# Altium PCB Beagle93.PCBDOC (part 6 of 7) (continued)
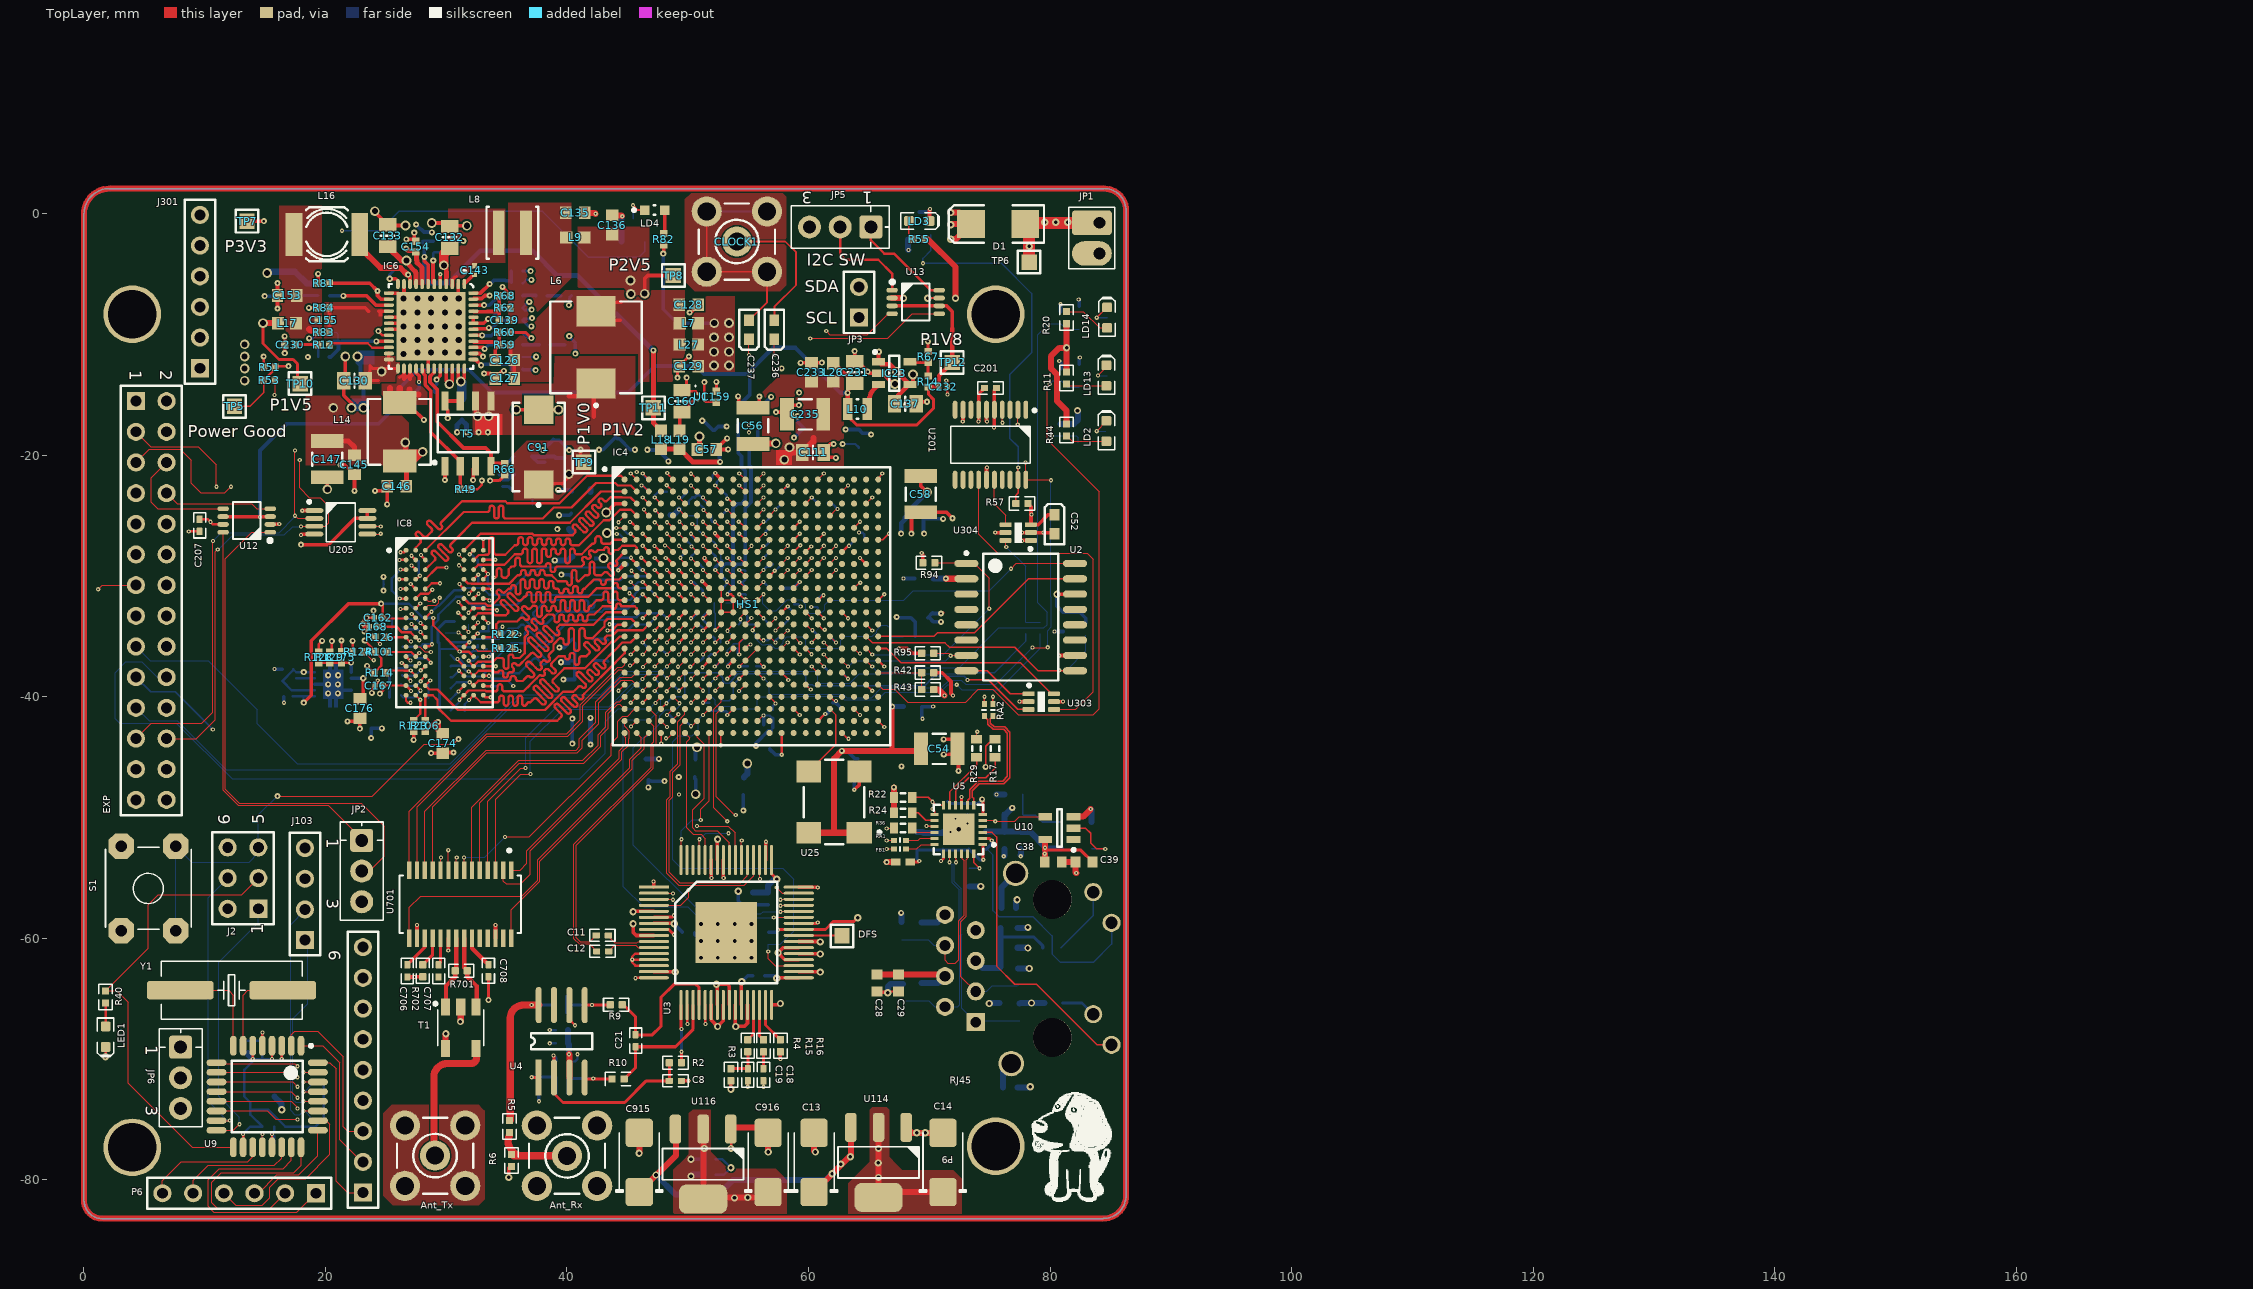
[diagram p0: TopLayer view]
## Nets (pads, with @x,y where several pads share a name; then routed paths per layer and width w, separated by ;. In a path a pad name is that pad's centre, name@x,y a point inside that pad or via, vN(x,y) a via of type N, cw(c..) or ccw(c..) an arc to the next point about the centre after c; other vN are vias at no path point) (continued)
P2V5: C52.2 C54.2 C58.2 C61.2 C62.2 C63.2 C65.2 C66.2 C67.2 C68.2 C69.2 C70.2 C71.2 C72.2 C73.2 C74.2 C75.2 C76.2 C77.2 C78.2 C79.2 C80.2 C86.2 C87.2 C88.2 C89.2 C90.2 C136.2 C154.2 C159.2 C201.1 C229.2 IC4.A17 IC4.AA7 IC4.AA17 IC4.AB4 IC4.AB14 IC4.B14 IC4.C21 IC4.D18 IC4.E15 IC4.F12 IC4.F22 IC4.G19 IC4.H16 IC4.J13 IC4.K20 IC4.L17 IC4.M14 IC4.N21 IC4.P18 IC4.R5 IC4.R15 IC4.T2 IC4.T12 IC4.T22 IC4.U8 IC4.U19 IC4.V6 IC4.V16 IC4.W3 IC4.W13 IC4.Y10 IC4.Y20 IC6.8 J301.6 L9.2 R42.2 R46.1 R52.1 R57.2 R78.1 R94.2 R95.2 R96.2 TP8.1 U1.A2 U1.B2 U2.14 U25.1 U25.4 U201.5 U303.5 U304.3 U304.5 | length 132.8
  TopLayer w0.125: v1(45.225,-37.4) 45.357,-37.4 IC4.T2@45.772,-36.985 ; v1(46.272,-40.485) IC4.W3@46.772,-39.985 ; IC4.AB4@47.772,-42.985 47.8,-43.013 v1(47.8,-43.85) ; v1(48.272,-36.485) IC4.R5@48.772,-35.985 ; v1(49.272,-39.485) IC4.V6@49.772,-38.985 ; v1(50.261,-42.415) 50.342,-42.415 IC4.AA7@50.772,-41.985 ; v1(51.272,-38.485) IC4.U8@51.772,-37.985 ; v1(53.272,-41.485) IC4.Y10@53.772,-40.985 ; IC4.T12@55.772,-36.985 56.277,-37.49 v1(56.286,-37.49) ; IC4.F12@55.772,-26.985 56.22,-26.537 56.407,-26.537 v1(56.45,-26.494) ; IC4.W13@56.772,-39.985 57.261,-40.474 v1(57.261,-40.54) ; IC4.B14@57.772,-22.985 58.243,-22.514 v1(58.286,-22.514) ; IC4.R15@58.772,-35.985 v1(59.272,-36.485) ; IC4.E15@58.772,-25.985 v1(59.272,-25.485) ; IC4.V16@59.772,-38.985 60.177,-39.39 v1(60.186,-39.39) ; IC4.H16@59.772,-28.985 v1(60.272,-28.485) ; IC4.L17@60.772,-31.985 60.806,-31.985 61.216,-31.575 v1(61.25,-31.575) ; IC4.A17@60.772,-21.985 v1(61.272,-21.485) ; IC4.P18@61.772,-34.985 v1(62.272,-35.485) ; IC4.D18@61.772,-24.985 62.327,-24.43 v1(62.404,-24.43) ; IC4.U19@62.772,-37.985 v1(63.272,-38.485) ; IC4.Y20@63.772,-40.985 v1(64.272,-41.485) ; IC4.K20@63.772,-30.985 64.221,-30.536 v1(64.285,-30.536) ; IC4.N21@64.772,-33.985 v1(65.272,-34.485) ; IC4.C21@64.772,-23.985 v1(65.272,-23.485) ; IC4.F22@65.772,-26.985 66.14,-26.985 66.65,-26.475 v1(66.663,-26.475)
  TopLayer w0.2: U1.A2@51.352,-14.894 U1.B2@51.352,-15.394 51.516,-15.558 52.336,-15.558 C159.2@52.372,-15.594 ; v2(51.375,-13.925) 51.364,-13.937 51.364,-14.876 U1.A2@51.382,-14.894 ; IC4.J13@56.772,-29.985 v1(57.207,-29.55) ; IC4.M14@57.772,-32.985 57.79,-32.985 v1(58.275,-32.5) ; v1(57.782,-44.786) IC4.AB14@57.782,-42.995 ; IC4.AA17@60.772,-41.985 60.772,-41.981 61.341,-41.412 v1(61.386,-41.412) ; IC4.G19@62.772,-27.985 63.272,-27.485 v1(63.35,-27.485) ; IC4.T22@65.772,-36.985 v1(66.272,-37.485)
  TopLayer w0.3: v4(46.425,-6.6) 46.425,-5.362 46.687,-5.1 TP8.1@48.8,-5.1 ; IC4.AB14@57.772,-42.985 IC4.AB14@57.782,-42.995 ; v1(67.472,-35.985) 68.172,-35.985 68.572,-36.385 R95.2@69.372,-36.385 ; C58.2@69.3,-21.7 69.3,-22.525 v4(69.825,-23.05) ; v1(69.372,-28.085) 69.472,-28.185 R94.2@69.472,-28.885 ; R42.2@70.372,-37.985 71.072,-37.985 71.797,-38.71 71.797,-39.71 v1(71.972,-39.885) ; v1(75.372,-17.685) 75.395,-17.662 U201.5@75.395,-16.212 75.395,-14.588 C201.1@75.57,-14.413 ; v1(75.472,-26.385) U304.5@76.322,-26.385 ; R57.2@78.172,-23.985 78.422,-24.235 U304.3@78.422,-25.735 79.022,-25.735 79.862,-24.895 C52.2@80.372,-24.895 ; U303.5@80.322,-40.385 v1(81.072,-40.385) ; v3(80.572,-31.485) 80.577,-31.48 U2.14@82.072,-31.48
  TopLayer w0.4: v2(26.675,-2.875) 26.702,-2.875 26.865,-3.038 27.37,-3.038 C154.2@27.48,-3.148 ; C154.2@27.48,-3.257 C154.2@27.589,-3.257 ; C154.2@27.59,-3.258 27.59,-3.261 27.55,-3.301 27.55,-3.799 27.59,-3.839 27.59,-4.052 28,-4.462 IC6.8@28,-5.802 ; v2(66.926,-40.798) 66.926,-44.41 66.972,-44.456 ; C54.2@69.225,-45.1 C54.2@69.225,-44.3
  TopLayer w0.5: U25.4@60.016,-51.243 62.116,-51.243 ; U25.1@64.216,-51.243 62.116,-51.243 ; C54.2@69.225,-44.3 69.069,-44.456 66.972,-44.456 v2(62.761,-44.456) 62.116,-45.1 62.116,-51.243
  MidLayer2 w0.5: v2(26.675,-2.875) 27.654,-2.875 27.973,-2.556 30.808,-2.556 31.141,-2.888 42.688,-2.888 v4@45.08,-5.28 ; v4@45.1,-5.28 v4@45.08,-5.28 ; v4@45.25,-5.45 v4@45.08,-5.28
  BottomLayer w0.2: C88.2@47.762,-35.975 v1(48.272,-36.485) ; C90.2@48.625,-38.975 48.762,-38.975 v1(49.272,-39.485) ; C74.2@49.675,-41.975 49.821,-41.975 v1(50.261,-42.415) ; C62.2@51.772,-41.135 52.632,-41.135 52.672,-41.175 53.182,-41.175 53.272,-41.265 v1(53.272,-41.485) ; C65.2@55.675,-37.45 56.246,-37.45 v1(56.286,-37.49) ; v1(56.45,-26.494) 56.45,-26.3 C73.2@56.75,-26 ; C63.2@57.025,-41.075 57.025,-40.776 v1(57.261,-40.54) ; v1(57.207,-29.55) 57.25,-29.55 57.725,-29.075 C69.2@57.725,-29.025 ; C61.2@57.8,-23.15 57.8,-23 v1(58.286,-22.514) ; v1(58.275,-32.5) 58.8,-33.025 C79.2@58.825,-33.025 ; C70.2@60.75,-31.9 61.075,-31.575 v1(61.25,-31.575) ; C68.2@61.575,-23.95 61.924,-23.95 v1(62.404,-24.43) ; C78.2@61.625,-34.95 61.737,-34.95 v1(62.272,-35.485) ; C75.2@62.625,-37.975 62.762,-37.975 v1(63.272,-38.485) ; v2(62.825,-19.05) 63.875,-19.05 C71.2@64.175,-19.35 ; v1(63.35,-27.485) 63.825,-27.01 C89.2@63.91,-27.01
  BottomLayer w0.3: C87.2@56.777,-44.302 57.261,-44.786 v1(57.782,-44.786) ; v1(61.386,-41.412) 61.491,-41.412 C80.2@61.928,-40.976 ; v2(62.761,-44.456) 63.181,-44.456 63.85,-45.125 C66.2@64.065,-45.125 ; v2(67.3,-33.375) 67.357,-33.432 68.482,-33.432 68.844,-33.794 R52.1@68.844,-34.956 ; v3(80.572,-31.485) 80.572,-32.495 C229.2@81.072,-32.995 82.482,-32.995 82.972,-33.485 R96.2@82.972,-33.885
  BottomLayer w0.4: v2(41.946,-43.936) v2(41.946,-41.724) ; C72.2@46.53,-45.128 v2(47.61,-45.128) ; v2(66.926,-40.798) C76.2@67.728,-40.798 C76.2@67.878,-40.798 ; v2(67.675,-26.468) 67.675,-25.6 C77.2@68.005,-25.27 ; C77.2@68.025,-25.25 C77.2@68.005,-25.27 ; v4(69.825,-23.05) 68.15,-24.725 68.15,-24.975 68.005,-25.12 C77.2@68.005,-25.27
  BottomLayer w0.5: v4(15.172,-4.885) 15.272,-4.785 17.472,-4.785 18.433,-5.746 R78.1@19.39,-5.746
  other v1: 78.472,-24.885
  other v4: 45.282,-6.625 45.257,-5.508
RA1_N: RA1.4 U5.17 | length 2.4
  TopLayer w0.095: RA1.4@68.085,-51.878 68.092,-51.885 69.072,-51.885 69.238,-51.719 U5.17@70.435,-51.719
RA1_P: RA1.2 U5.18 | length 2.5
  TopLayer w0.095: RA1.2@68.085,-52.578 68.979,-52.578 69.338,-52.219 U5.18@70.435,-52.219
RA2_N: RA2.2 U5.8 | length 11.2
  TopLayer w0.115: U5.8@73.185,-48.969 73.185,-48.572 73.372,-48.385 73.372,-48.373 73.368,-48.369 73.368,-47.689 74.072,-46.985 76.072,-46.985 76.472,-46.585 76.472,-42.985 76.176,-42.689 75.284,-42.689 74.865,-42.269 74.865,-41.878 RA2.2@74.572,-41.585
RA2_P: RA2.4 U5.7 | length 11.2
  TopLayer w0.115: U5.7@73.685,-48.969 73.685,-48.398 73.572,-48.285 73.572,-47.773 74.157,-47.189 76.157,-47.189 76.676,-46.669 76.676,-42.901 76.26,-42.485 75.368,-42.485 75.068,-42.185 75.068,-41.793 75.066,-41.791 RA2.4@75.272,-41.585
RESETN: IC6.20 R51.1 R53.1 T6.1 TP5.1 | length 54.1
  TopLayer w0.125: TP5.1@12.459,-15.937 13.729,-15.937 14.88,-14.786 R53.1@14.88,-13.775
  TopLayer w0.2: R53.1@14.945,-13.722 R51.1@15.898,-12.769 ; R51.1@15.936,-12.604 v2(16.939,-12.604) ; v2(24.381,-9.708) 24.725,-10.052 IC6.20@25.25,-10.052
  TopLayer w0.3: R51.1@15.898,-12.769 15.936,-12.731 R51.1@15.936,-12.604
  MidLayer2 w0.125: v1(21.372,-1.385) 21.372,-4.785 24.381,-7.794 v2(24.381,-9.708)
  MidLayer2 w0.2: v2(16.939,-12.604) 17.053,-12.604 19.15,-10.507 19.15,-10.393 19.835,-9.708 v2(24.381,-9.708)
  BottomLayer w0.125: v1(21.372,-1.385) 24.472,-1.385 26.072,0.215 37.972,0.215 41.772,-3.585 45.972,-3.585 46.429,-3.128 T6.1@46.429,-2.282
RX_N: C27.2 R28.1 RJ45.6 U5.22 | length 15.4
  TopLayer w0.1: RJ45.6@71.31,-60.58 71.31,-61.823 71.522,-62.035 72.172,-62.035 72.433,-61.774 72.433,-58.524 72.885,-58.072 72.885,-53.569 72.685,-53.369 U5.22@72.685,-52.969
  BottomLayer w0.1: R28.1@67.704,-60.121 69.908,-60.121 70.367,-60.58 RJ45.6@71.31,-60.58
RX_P: C26.2 R25.1 RJ45.3 U5.23 | length 15.9
  TopLayer w0.1: U5.23@73.185,-52.969 73.185,-53.369 73.074,-53.48 73.074,-58.15 72.622,-58.602 72.622,-63.162 RJ45.3@73.85,-64.39
  BottomLayer w0.1: RJ45.3@73.85,-64.39 73.855,-64.385 74.772,-64.385 75.226,-63.931 R25.1@75.832,-63.931 77.306,-63.931 C26.2@77.356,-63.881
RXD_P2V5: IC4.M16 U13.5 | length 38.7
  TopLayer w0.1: IC4.M16@59.772,-32.985 v1(60.272,-33.485) ; v1(60.146,-10.311) 66.546,-10.311 68.597,-8.26 U13.5@70.822,-8.26
  SignalLayer1 w0.1: v1(60.146,-10.311) 60.452,-10.617 60.452,-21.641 57.872,-24.221 57.872,-32.959 57.988,-33.075 59.862,-33.075 v1(60.272,-33.485)
SCK: J2.3 R40.1 U9.17 | length 38.5
  TopLayer w0.1: U9.17@12.372,-77.285 8.972,-77.285 3.672,-71.985 3.672,-65.285 2.727,-64.34 R40.1@1.791,-64.34 5.314,-60.817 5.314,-57.227 6.156,-56.385 13.055,-56.385 J2.3@14.44,-55
SFP_1.LED: IC4.R19
SFP_2.LED: IC4.W20
SFP_2.MOD_PRESENT: IC4.T20
SFP_2.RATE_SELECT1: IC4.U21
SFP_2.TX_DISABLE: IC4.P20
SFP_2.TX_FAULT: IC4.P19
TX_N: C25.2 R21.1 RJ45.2 U5.20 | length 17.8
  TopLayer w0.1: v1(71.672,-53.685) 71.685,-53.672 U5.20@71.685,-52.969
  BottomLayer w0.1: C25.2@67.831,-65.151 69.938,-65.151 70.447,-65.66 RJ45.2@71.31,-65.66 72.347,-65.66 72.517,-65.491 72.517,-59.758 72.472,-59.713 72.472,-55.952 71.897,-55.377 71.897,-53.91 v1(71.672,-53.685)
TX_P: C24.2 R18.1 RJ45.1 U5.21 | length 18.4
  TopLayer w0.1: U5.21@72.185,-52.969 72.185,-53.395 72.222,-53.432 v1(72.222,-53.685)
  BottomLayer w0.1: v1(72.222,-53.685) 72.086,-53.821 72.086,-55.299 72.661,-55.874 72.661,-59.635 72.705,-59.679 72.705,-65.785 RJ45.1@73.85,-66.93 73.978,-66.802 C24.2@77.483,-66.802
TXD_P2V5: IC4.M17 U13.4 | length 34.1
  TopLayer w0.1: v1(61.472,-9.685) 61.772,-9.985 64.872,-9.985 66.597,-8.26 U13.4@66.922,-8.26
  TopLayer w0.125: IC4.M17@60.772,-32.985 v1(61.272,-33.485)
  SignalLayer1 w0.1: v1(61.272,-33.485) 60.672,-32.885 60.42,-32.885 60.38,-32.925 60.07,-32.925 60.03,-32.885 59.587,-32.885 59.573,-32.899 58.886,-32.899 58.683,-32.696 58.683,-23.79 60.655,-21.819 60.655,-10.502 v1(61.472,-9.685)
VCC: C22.1 C23.2 C28.2 C29.2 C30.2 C31.2 C32.1 C33.1 C34.1 C35.2 C37.2 C38.2 C39.2 C49.1 C129.2 C137.2 C161.2 C172.2 C207.2 FB1.1 IC9.7 IC9.10 IC23.1 IC23.4 J2.2 J103.3 L7.2 L27.2 R11.2 R17.2 R18.2 R20.2 R21.2 R22.2 R24.1 R25.2 R26.1 R28.2 R30.2 R31.2 R33.1 R34.1 R35.2 R44.2 R51.2 R55.2 R82.2 R127.2 RJ45.4 RJ45.5 TP7.1 U2.2 U5.6 U5.9 U9.4 U9.6 U9.18 U10.5 U12.7 U13.7 U205.7 U205.8 X2.4 | length 144.7
  TopLayer w0.12: v2(74.672,-45.785) 74.672,-44.085 75.249,-43.508 R17.2@75.451,-43.508
  TopLayer w0.2: C207.2@9.572,-25.285 10.272,-25.285 v1(10.485,-25.498) 10.697,-25.71 U12.7@11.522,-25.71 ; U9.18@13.172,-77.285 v1(13.172,-76.185) ; v1(13.972,-69.985) U9.6@13.972,-68.885 ; v2(14.875,-11.8) 14.885,-11.81 14.885,-12.696 R51.2@14.894,-12.706 ; v1(15.572,-69.985) U9.4@15.572,-68.885 ; v3(69.872,-6.985) 69.897,-6.96 U13.7@70.822,-6.96
  TopLayer w0.254: v1(72.672,-48.285) 72.685,-48.298 U5.9@72.685,-48.969 ; v2(74.372,-48.485) 74.435,-48.548 U5.6@74.435,-49.719 ; 79.577,-52.685 82.546,-52.685 C39.2@83.517,-53.656
  TopLayer w0.3: TP7.1@13.5,-0.6 v2(14.9,-0.6) ; v2(17.972,-27.385) 20.272,-27.385 22.447,-25.21 U205.7@23.472,-25.21 U205.8@23.472,-24.56 ; v2(47.972,-3.285) 48.019,-3.238 R82.2@48.019,-2.564 ; IC23.1@65.798,-12.232 v2@65.798,-11.446 ; C137.2@67.4,-16.08 67.491,-15.988 C137.2@67.491,-15.558 ; IC23.4@68.243,-14.132 67.4,-14.975 67.475,-15.05 68.396,-14.13 68.65,-13.876 v4(68.65,-13.3)
  TopLayer w0.4: IC23.1@65.798,-12.232 66.016,-12.45 66.716,-12.45 v4(67.327,-13.061) 68.396,-14.13 IC23.4@68.398,-14.132
  TopLayer w0.5: C28.2@65.672,-62.989 C29.2@67.45,-62.989 71.179,-62.989 RJ45.4@71.31,-63.12 ; v2(66.472,-53.685) 66.501,-53.656 FB1.1@67.231,-53.656 ; v2(67.072,-47.485) 67.081,-47.494 R22.2@67.081,-48.322 R24.1@67.081,-49.592 ; R55.2@69.642,-2.085 69.872,-2.085 72.172,-4.385 v3@72.172,-6.885 ; v2(71.372,-30.185) 71.397,-30.21 U2.2@73.072,-30.21 ; v1(79.572,-52.985) 79.572,-53.651 C38.2@79.577,-53.656 ; 79.577,-52.685 79.577,-51.845 U10.5@79.61,-51.812 ; R44.2@81.372,-17.385 81.372,-16.285 80.572,-15.485 80.572,-13.285 80.072,-12.785 80.072,-11.785 80.772,-11.085 v3(81.372,-11.085) ; R11.2@81.372,-13.085 v3(81.372,-11.085) ; R20.2@81.372,-9.085 v3(81.372,-11.085)
  MidLayer2 w0.5: v2@67.672,-45.685 67.672,-39.485 70.072,-37.085 70.072,-32.385 71.372,-31.085 v2(71.372,-30.185)
  BottomLayer w0.2: v1(13.172,-76.185) 13.772,-75.585 C49.1@14.772,-75.585 13.772,-74.585 13.772,-74.185 ; C32.1@14.772,-69.485 14.772,-69.985 ; v1(15.572,-69.985) 14.772,-69.985 ; IC9.7@19.125,-39.45 17.205,-39.45 R127.2@16.43,-38.675 17.325,-37.78 C172.2@17.325,-37.7 17.575,-37.95 v2(18.2,-37.95) IC9.10@19.125,-37.95 ; R33.1@19.872,-72.085 R30.2@19.872,-73.485 R31.2@19.872,-74.885 19.172,-75.585 16.672,-75.585 15.272,-74.185 13.772,-74.185 ; 13.772,-74.185 13.772,-73.585 13.272,-73.085 13.272,-70.885 13.972,-70.185 v1(13.972,-69.985) 14.772,-69.985
  BottomLayer w0.254: C35.2@71.514,-48.638 71.714,-48.838 72.572,-48.838 ; v1(72.672,-48.285) 72.672,-48.738 72.572,-48.838 ; v2(74.372,-48.485) 74.019,-48.838 C22.1@73.165,-48.838 72.572,-48.838 ; 75.894,-59.885 78.672,-59.885 79.4,-60.613 R34.1@79.4,-60.768
  BottomLayer w0.3: v2(47.972,-3.285) 47.972,-7.885 49.135,-9.048 v4(52.194,-9.048)
  BottomLayer w0.5: C33.1@13.572,-69.485 13.572,-69.585 v1(13.972,-69.985) ; v2(67.672,-57.885) 67.704,-57.917 R28.2@67.704,-58.621 ; R21.2@69.355,-63.701 70.729,-63.701 RJ45.4@71.31,-63.12 ; C161.2@70.362,-30.185 v2(71.372,-30.185) ; RJ45.5@73.85,-61.85 74.431,-62.431 R25.2@75.832,-62.431 75.894,-62.369 C30.2@75.894,-60.768 75.894,-59.885 C31.2@75.894,-59.117 ; R26.1@74.689,-51.14 C37.2@76.213,-51.14 ; v3(74.972,-65.385) 75.005,-65.352 R18.2@75.832,-65.352 ; C37.2@76.213,-51.178 C37.2@76.213,-51.14 ; v2(76.872,-49.185) 76.338,-49.719 R35.2@76.225,-49.719 76.213,-49.731 C37.2@76.213,-51.14 ; v1(79.572,-52.985) 79.577,-52.98 v1@79.577,-52.39 ; v1(79.592,-52.485) v1@79.592,-52.405 ; X2.4@80.912,-52.554 79.708,-52.554 79.708,-52.521 v1@79.592,-52.405 ; C37.2@76.213,-51.14 77.572,-51.14 C23.2@77.61,-51.178 78.365,-51.178 v1@79.577,-52.39 ; v1@79.577,-52.39 v1@79.592,-52.405
  other v2: 67.7,-45.75 65.834,-11.41
  other v3: 72.172,-6.985
  other v4: 13.3,-13.8 13.3,-12.8 52.169,-12.553 53.413,-12.553 13.3,-11.8 52.169,-11.41 53.413,-11.41 13.3,-10.8 52.169,-10.216 53.413,-10.216 53.413,-9.023
VCCAUX: C55.2 C59.2 C98.2 C111.2 C117.2 C118.2 C119.2 C233.2 C235.2 IC4.H12 IC4.K12 IC4.M12 IC4.P12 IC4.R11 L26.2 | length 11.1
  TopLayer w0.125: IC4.R11@54.772,-35.985 55.092,-35.665 v1(55.186,-35.665) ; IC4.P12@55.772,-34.985 56.097,-35.31 v1(56.284,-35.31) ; IC4.M12@55.772,-32.985 v1(56.272,-33.485) ; IC4.K12@55.772,-30.985 v1(56.272,-30.485) ; IC4.H12@55.772,-28.985 v1(56.272,-28.485)
  TopLayer w0.508: v4(58,-20.35) 58.6,-19.75 58.85,-19.75 ; C111.2@59.475,-19.75 60.4,-18.825 60.4,-18.55
  BottomLayer w0.2: C98.2@54.754,-35.972 54.785,-35.972 55.092,-35.665 v1(55.186,-35.665) ; v1(56.272,-33.485) 56.737,-33.95 C119.2@56.9,-33.95 ; v1(56.272,-30.485) 56.787,-31 C55.2@56.925,-31 ; v1(56.272,-28.485) 56.75,-28.007 C117.2@56.75,-27.9 ; v1(56.284,-35.31) 56.59,-35.31 C118.2@56.925,-34.975
  BottomLayer w0.508: C59.2@54.65,-46.65 54.936,-46.364 v4(54.936,-45.511)
  other v4: 58.425,-19.325
VCCBRAM: C56.2 C99.2 C120.2 C121.2 C122.2 C149.2 IC4.J11 IC4.L11 IC4.N11 L13.2 | length 6.4
  TopLayer w0.125: v1(54.272,-31.485) IC4.L11@54.772,-31.985 ; v1(54.272,-29.485) IC4.J11@54.772,-29.985 ; IC4.N11@54.772,-33.985 55.268,-33.489 v1(55.268,-33.457)
  TopLayer w0.5: C56.2@55.4,-19.05 55.425,-19.025 57.275,-19.025 v4(57.3,-19)
  BottomLayer w0.2: v1(54.272,-31.485) 54.735,-31.485 C122.2@54.8,-31.55 ; v1(54.272,-29.485) 54.685,-29.485 C121.2@54.775,-29.575 ; 54.925,-33.325 C99.2@54.925,-34 55.45,-34
VREF_DDR3: C162.2 C163.2 C177.2 IC8.H1 IC8.M8 IC9.6 | length 30
  TopLayer w0.125: IC8.M8@32.267,-36.655 IC8.M8@32.267,-36.651
  TopLayer w0.2: v2(24.6,-32.275) 24.725,-32.4 C162.2@24.725,-33.425 ; C162.2@24.775,-33.5 IC8.H1@26.618,-33.5 ; v1(28.925,-33.45) 28.925,-34.055 v1(31.11,-36.24) 31.306,-36.24 ; 31.306,-36.24 31.628,-36.24 31.856,-36.24 IC8.M8@32.267,-36.651 ; IC8.M8@32.267,-36.655 IC8.M8@32.28,-36.642
  TopLayer w0.3: v2(18.2,-40.475) 18.825,-39.85 18.825,-35.35 21.9,-32.275 v2(24.6,-32.275)
  BottomLayer w0.18: 32.116,-36.294 32.22,-36.19 33.185,-36.19 C163.2@33.35,-36.025
  BottomLayer w0.2: C177.2@17.3,-39.95 18.175,-39.95 ; v2@18.175,-40.45 18.175,-39.95 ; IC9.6@19.125,-39.95 18.175,-39.95 ; v2(24.6,-32.275) 25.974,-32.275 25.975,-32.276 26.901,-32.276 28.075,-33.45 v1(28.925,-33.45) ; v1@31.164,-36.294 32.116,-36.294
VTT_DDR3: C173.2 C174.2 IC9.3 IC9.5 R99.2 R100.2 R101.2 R102.2 R103.2 R104.2 R105.2 R106.2 R107.2 R108.2 R109.2 R110.2 R111.2 R112.2 R113.2 R114.2 R115.2 R116.2 R117.2 R118.2 R119.2 R120.1 R121.1 | length 22.7
  TopLayer w0.2: v2(23.25,-35.325) 24.08,-36.155 R101.2@24.08,-36.25 24.625,-36.795 24.625,-37.405 R114.2@24.03,-38 v2(23.455,-37.425)
  TopLayer w0.3: R106.2@28.25,-42.87 29.045,-42.075 v2(29.325,-42.075) ; 28.925,-42.375 29.325,-42.375
  TopLayer w0.5: v2(29.325,-42.075) 29.325,-42.375 29.325,-42.675 C174.2@29.7,-43.05
  BottomLayer w0.15: 24.788,-33.661 24.789,-33.659 24.789,-33.421 24.793,-33.425 R104.2@25.505,-33.425 R103.2@25.505,-34.35
  BottomLayer w0.2: R109.2@29.43,-35.5 29.43,-36.024 30.725,-36.024 30.934,-35.815 31.659,-35.815 31.734,-35.89 32.605,-35.89 R100.2@32.605,-35.719
  BottomLayer w0.25: R112.2@25.305,-40.025 R117.2@25.305,-39.125 R119.2@25.305,-38.25 ; R109.2@29.325,-35.495 29.325,-34.355 R121.1@29.925,-33.755 R120.1@30.685,-33.755 ; R105.2@29.43,-41.125 R108.2@29.43,-40.225 R113.2@29.43,-39.3 R118.2@29.43,-38.375 R115.2@29.43,-37.45 R107.2@29.43,-36.525 29.43,-36.024
XADC_GND: C50.1 C51.1 IC4.K9 IC4.L9 IC4.L10 IC4.M9 IC4.M10 L5.2 | length 21.4
  TopLayer w0.125: IC4.K9@52.772,-30.985 IC4.L9@52.772,-31.985 ; IC4.M10@53.8,-33 IC4.M10@53.785,-32.985 ; IC4.L9@52.772,-31.985 IC4.M9@52.772,-32.985 IC4.M10@53.772,-32.985 IC4.M10@53.785,-32.985 ; IC4.L9@52.772,-31.985 IC4.L10@53.772,-31.985 53.772,-32.972 IC4.M10@53.785,-32.985
  TopLayer w0.2: v1(53.287,-31.5) 53.6,-31.5 53.775,-31.675 53.772,-31.678 IC4.L10@53.772,-31.985
  BottomLayer w0.2: v1(53.287,-31.5) 53.287,-31.441 53.705,-31.023 C51.1@53.747,-30.975
  BottomLayer w0.3: C51.1@53.747,-30.975 53.747,-29.338 54.075,-29.01 54.419,-29.01 54.75,-28.679 54.75,-24.35 55.239,-23.861 55.239,-20.941 55.101,-20.804 55.101,-19.595 55.8,-18.896 L5.2@55.8,-17.398
XADC_VCC: C50.2 C51.2 IC4.K10 L4.2 | length 16.1
  TopLayer w0.125: v1(53.261,-30.464) 53.261,-30.474 IC4.K10@53.772,-30.985
  BottomLayer w0.2: C51.2@52.95,-30.932 53.261,-30.621 v1(53.261,-30.464)
  BottomLayer w0.27: 52.797,-30.001 52.797,-29.288 53.125,-28.96
  BottomLayer w0.28: 52.797,-30.001 v1(53.261,-30.464) ; 53.125,-28.96 53.469,-28.96
  BottomLayer w0.3: C51.2@52.95,-30.975 C51.2@52.95,-30.932 ; 53.469,-28.96 53.747,-28.682 53.747,-24.338 54.075,-24.01 54.419,-24.01 54.747,-23.682 54.747,-21.252 54.448,-20.952 54.448,-20.075 54.198,-19.825 54.198,-17.4 L4.2@54.238,-17.36
pads on no net: C1.0 C2.0 C3.0 C4.0 C5.0 C6.0 C7.0 C8.0 C11.0 C12.0 C13.0 C14.0 C15.0 C16.0 C17.0 C18.0 C19.0 C20.0 C21.0 C22.0 C32.0 C33.0 C34.0 C49.0 C53.0 C201.0 C207.0 C706.0 C707.0 C708.0 C915.0 C916.0 EXP.25 EXP.26 IC4.A4 IC4.A6 IC4.A8 IC4.A10 IC4.A13 IC4.A14 IC4.A15 IC4.A16 IC4.A18 IC4.A19 IC4.A20 IC4.A21 IC4.AA9 IC4.AA10 IC4.AA11 IC4.AA13 IC4.AA14 IC4.AA15 IC4.AA16 IC4.AA18 IC4.AA19 IC4.AA20 IC4.AA21 IC4.AB10 IC4.AB11 IC4.AB12 IC4.AB13 IC4.AB15 IC4.AB16 IC4.AB17 IC4.AB18 IC4.AB20 IC4.AB21 IC4.AB22 IC4.B4 IC4.B6 IC4.B8 IC4.B10 IC4.B13 IC4.B15 IC4.B16 IC4.B17 IC4.B18 IC4.B20 IC4.B21 IC4.B22 IC4.C5 IC4.C7 IC4.C9 IC4.C11 IC4.C13 IC4.C14 IC4.C15 IC4.C17 IC4.C18 IC4.C19 IC4.C20 IC4.C22 IC4.D5 IC4.D7 IC4.D9 IC4.D11 IC4.D14 IC4.D15 IC4.D16 IC4.D17 IC4.D19 IC4.D20 IC4.D21 IC4.D22 IC4.E3 IC4.E13 IC4.E14 IC4.E16 IC4.E17 IC4.E18 IC4.E19 IC4.E21 IC4.E22 IC4.F4 IC4.F13 IC4.F14 IC4.F16 IC4.F18 IC4.F19 IC4.F20 IC4.F21 IC4.G13 IC4.G20 IC4.G21 IC4.G22 IC4.H13 IC4.H19 IC4.H20 IC4.H22 IC4.J17 IC4.J19 IC4.J20 IC4.J21 IC4.J22 IC4.K13 IC4.K14 IC4.K16 IC4.K17 IC4.K18 IC4.K19 IC4.K21 IC4.K22 IC4.L13 IC4.L14 IC4.L15 IC4.L16 IC4.L18 IC4.L19 IC4.L20 IC4.L21 IC4.M13 IC4.M15 IC4.M18 IC4.M20 IC4.M21 IC4.M22 IC4.N15 IC4.N18 IC4.N19 IC4.N20 IC4.N22 IC4.P16 IC4.R17 IC4.T14 IC4.T15 IC4.T16 IC4.U15 IC4.U16 IC4.U18 IC4.V10 IC4.V13 IC4.V14 IC4.V15 IC4.V17 IC4.V18 IC4.V19 IC4.W6 IC4.W10 IC4.W11 IC4.W12 IC4.W14 IC4.W15 IC4.W16 IC4.W17 IC4.W19 IC4.W21 IC4.W22 IC4.Y7 IC4.Y11 IC4.Y12 IC4.Y13 IC4.Y14 IC4.Y16 IC4.Y17 IC4.Y21 IC4.Y22 IC8.J1 IC8.J9 IC8.L1 IC8.L9 IC8.M7 LD2.0 LD3.0 LD13.0 LD14.0 LED1.0 R1.0 R2.0 R3.0 R4.0 R5.0 R6.0 R7.0 R8.0 R9.0 R10.0 R11.0 R13.0 R15.0 R16.0 R19.0 R20.0 R23.0 R30.0 R31.0 R33.0 R40.0 R42.0 R43.0 R44.0 R45.0 R57.0 R94.0 R95.0 R96.0 R191.0 R701.0 R702.0 RJ45. RJ45.7 S1.0 T1.0 U2.3 U2.4 U2.5 U2.6 U2.11 U2.12 U2.13 U4.7 U5.4 U10.1 U12.0 U13.0 U201.0 U201.1 U201.3 U201.8 U201.10 U201.11 U201.12 U201.13 U201.18 U303.0 U304.0 Y1.0
copper on no net: | length 351.5
  TopLayer w0.5: 84.4,-83.2 1.5,-83.2 cw(c1.5,-81.7) 0,-81.7 0,0 cw(c2.1,0) 2.1,2.1 84.5,2.1 cw(c84.5,0.3) 86.3,0.3 86.3,-81.3 cw(c84.415,-81.3) 84.415,-83.185
  BottomLayer w0.5: 0,-81.7 ccw(c1.5,-81.7) 1.5,-83.2 ; 0,0 cw(c2.1,0) 2.1,2.1 ; 84.415,-83.185 ccw(c84.415,-81.3) 86.3,-81.3 ; 84.5,2.1 cw(c84.5,0.3) 86.3,0.3

## Polygon pours and split planes (outlines as drawn)
VCC on MidLayer1 "VCC_L02_P139" (solid, pour order 77): 66.19,-14.7 86.172,-14.7 86.172,-6.185 51.686,-6.185 51.686,-13.05 66.19,-13.05
VCC on MidLayer1 "Bottom Layer-No Net 1" (solid, pour order 49): 0,-4.985 0.131,-5.116 10.479,-5.116 11.216,-5.116 13.188,-7.088 14.4,-8.3 14.4,-11.512 14.4,-15.55 18.9,-20.05 18.9,-43.244 18.987,-43.331 38.175,-43.331 38.175,-43.557 38.199,-43.581 38.199,-48.085 38.499,-48.385 38.972,-48.385 61.272,-48.385 61.377,-48.28 65.272,-44.385 86.04,-44.385 86.3,-44.645 86.3,-81.3 85.772,-82.585 84.415,-83.185 84.072,-83.185 83.827,-82.94 68.472,-82.94 68.472,-82.485 68.372,-82.385 68.372,-75.285 68.372,-74.985 65.772,-72.385 65.772,-55.785 65.645,-55.658 65.538,-55.551 63.572,-53.585 60.172,-53.585 59.972,-53.385 57.572,-50.985 57.472,-50.885 57.272,-50.885 51.538,-50.885 51.372,-51.051 51.372,-51.285 51.372,-57.185 51.272,-57.285 44.599,-57.285 44.472,-57.412 44.472,-82.94 1.727,-82.94 1.672,-82.885 0.34,-82.652 0.172,-81.385
P2V5 on MidLayer1 "Bottom Layer-No Net 1" (solid, pour order 51): 0.001,-5.366 0,0 0,0.191 0.633,1.496 1.909,2.1 2.1,2.1 51.314,2.1 51.348,2.134 51.348,-13.285 66.035,-13.285 66.048,-13.271 66.048,-14.8 66.088,-14.84 86.298,-14.84 86.305,-44.534 86.252,-44.587 65.277,-44.587 64.586,-45.278 61.33,-48.534 52.57,-48.534 38.455,-48.534 38.043,-48.122 37.989,-48.069 37.989,-43.616 37.989,-43.51 41.711,-39.788 45.393,-36.107 47.015,-36.107 49.434,-36.107 49.5,-36.173 49.141,-36.532 49.141,-38.858 49.168,-38.858 49.54,-39.23 50.151,-39.842 50.151,-41.304 50.151,-41.344 50.47,-41.663 50.603,-41.795 50.603,-42.859 50.603,-43.244 50.55,-43.298 50.175,-43.3 50.175,-44.548 51.62,-44.548 51.62,-38.83 51.641,-38.809 50.952,-38.805 50.952,-37.771 50.975,-37.748 51.833,-37.745 54.295,-37.745 54.352,-37.688 54.352,-37.715 54.352,-45.996 54.498,-46.142 54.617,-46.262 56.797,-46.262 56.93,-46.262 57.289,-45.903 57.01,-45.624 57.01,-40.307 57.01,-40.121 57.09,-40.041 57.11,-40.061 58.166,-40.061 58.166,-40.041 58.186,-40.021 58.166,-40.001 58.166,-38.247 58.146,-38.266 55.681,-38.266 55.707,-38.24 55.707,-35.834 55.721,-35.834 56.738,-35.828 56.738,-27.729 56.028,-27.729 56.028,-25.472 57.489,-25.606 57.4,-25.598 57.409,-22.791 58.895,-21.298 58.895,-18.46 58.864,-18.429 58.851,-18.415 58.851,-18.402 54.212,-18.402 53.621,-17.81 52.511,-16.701 49.925,-16.701 42.575,-16.701 42.549,-16.674 42.535,-16.661 42.535,-16.647 41.851,-16.647 41.837,-16.634 41.837,-14.873 41.778,-14.813 23.235,-14.813 23.142,-14.72 23.142,-8.247 23.062,-8.167 23.049,-8.18 22.996,-8.18 14.197,-8.18 14.17,-8.207 14.024,-8.207 10.927,-5.11
5V on TopLayer "5V_L01_P125" (solid, remove dead copper, pour order 74): 26.15,-11.8 26.15,-14.05 23.15,-14.05 23.15,-11.8
VCC on TopLayer "VCC_L01_P124" (solid, remove dead copper, pour order 73): 53.9,-13.05 50.4,-13.05 50.4,-6.8 53.9,-6.8
P2V5 on TopLayer "P2V5_L01_P122" (solid, remove dead copper, pour order 72): 46.825,-1.05 46.825,-7.225 44.7,-7.225 44.7,-6.125 40.9,-6.125 40.9,-1.05
NetC126_2 on TopLayer "NETC126_2_L01_P112" (solid, pour order 63): 49.756,-6.3 39.865,-6.3 35.316,-10.826 35.329,-10.839 35.329,-13.874 38.65,-13.874 38.65,-11.563 45.9,-11.563 45.9,-13.874 49.756,-13.874
NetC135_2 on TopLayer "NETC135_2_L01_P111" (solid, pour order 62): 40.358,0.95 35.15,0.95 35.15,-9.048 36.624,-9.048 40.358,-5.314 40.358,-2.266
NetC134_1 on TopLayer "NETC134_1_L01_P113" (solid, pour order 64): 39.004,-11.8 38.9,-14.05 32.179,-14.05 32.179,-18.3 45.65,-18.3 45.65,-11.8
NetC140_1 on TopLayer "NETC140_1_L01_P119" (solid, pour order 70): 28.65,-12.3 25.9,-12.3 25.9,-14.05 24.65,-14.05 24.65,-15.8 28.65,-15.8
NetC155_1 on TopLayer "NETC155_1_L01_P126" (solid, remove dead copper, pour order 75): 19.9,-7.3 19.9,-10.3 23.65,-10.3 26.65,-7.3
NetC143_1 on TopLayer "NETC143_1_L01_P121" (solid, remove dead copper, pour order 71): 34.9,0.45 34.9,-4.05 32.65,-4.05 30.65,-6.05 30.15,-6.05 30.15,0.45
NetC145_2 on TopLayer "NETC145_2_L01_P117" (solid, pour order 68): 26.9,-20.8 18.361,-20.8 18.361,-15.068 24.668,-15.068 26.9,-17.3
VCCAUX on TopLayer "VCCAUX_L01_P115" (solid, remove dead copper, pour order 67): 62.9,-13.3 57.65,-13.3 56.15,-14.8 56.15,-21.05 62.9,-21.05
NetC153_2 on TopLayer "NETC153_2_L01_P114" (solid, pour order 65): 16.15,0.7 16.15,-10.3 19.708,-10.3 19.708,0.7
P1V0 on TopLayer "P1V0_L01_P134" (solid, remove dead copper, pour order 76): 41.9,-19.3 41.9,-21.425 39.025,-24.3 35.9,-24.3 35.575,-23.975 35.575,-19.875 36.65,-18.8 41.4,-18.8
CK_GTP_125_N on TopLayer "Bottom Layer-No Net 1" (solid, pour order 58): 49.772,1.215 50.472,1.915 50.972,1.915 57.672,1.915 57.972,1.615 58.172,1.415 58.172,-1.285 58.172,-5.885 57.972,-6.085 57.672,-6.385 56.872,-6.385 50.572,-6.385 49.772,-5.585
GND on TopLayer "Bottom Layer-No Net 1" (solid, pour order 57): 24.772,-74.485 25.472,-73.785 25.972,-73.785 32.672,-73.785 32.972,-74.085 33.172,-74.285 33.172,-76.985 33.172,-81.585 32.972,-81.785 32.672,-82.085 31.872,-82.085 25.572,-82.085 24.772,-81.285
ADC3.3VA on TopLayer "Bottom Layer-No Net 1" (solid, pour order 66): 50.9,-74.169 50.4,-74.169 50.2,-74.369 50.1,-74.469 50.1,-76.669 50.1,-77.869 49.7,-78.269 48.8,-79.169 48.8,-82.569 48.8,-82.8 58.2,-82.8 58.2,-80.169 58.2,-79.969 57.6,-79.369 57.3,-79.069 55.5,-79.069 53.3,-79.069 52.6,-78.369 51.9,-77.669 51.9,-74.169
ADC_3.3D on TopLayer "Bottom Layer-No Net 1" (solid, pour order 69): 65.072,-74.185 65.072,-78.485 64.172,-79.385 63.272,-80.285 63.272,-83.2 63.287,-83.185 72.172,-83.185 72.272,-83.185 72.672,-82.785 72.672,-80.885 72.672,-79.885 72.072,-79.285 71.972,-79.185 70.572,-79.185 67.772,-79.185 67.272,-78.685 66.672,-78.085 66.672,-75.685 66.672,-74.185 66.472,-73.985 66.372,-73.985 65.272,-73.985 65.072,-74.185
P1V0 on BottomLayer "P1V0_L06_P153" (solid, remove dead copper, pour order 85): 40.669,-24.322 36.232,-24.322 36.232,-19.072 43.603,-19.072 53.656,-28.632 53.656,-37.776 42.482,-37.776 42.482,-39.072 40.669,-39.072
NetC134_1 on BottomLayer "NETC134_1_L06_P151" (solid, pour order 83): 33.845,-12.825 28.72,-12.825 28.72,-17.825 ccw(c30.347,-17.473) 29.995,-19.1 33.845,-19.1
VTT_DDR3 on BottomLayer "VTT_DDR3_L06_P170" (solid, pour order 92): 26,-33.025 25.2,-33.025 24.975,-33.25 22.875,-35.175 23,-37.05 22.825,-38.6 21.975,-38.6 21.7,-38.875 21.7,-40.15 23.05,-41.5 24.35,-41.5 26.6,-43.75 30.7,-43.75 32.025,-42.425 31.975,-42.375 31.975,-41.525 30.15,-41.525 29.9,-41.275 29.9,-34.225 31.025,-34.225 31.25,-34 31.225,-33.975 31.225,-33.475 31.1,-33.35 29.575,-33.35